# Altium PCB SNES TST.PcbDoc (part 3 of 3)
Units mm, origin at the board's own origin, x right, y up, seen from the top; angles counter-clockwise.
Board outline 62 x 43 mm, 4 copper layers (Top Layer, Ground Layer, Power Layer, Bottom Layer), stack 1.62 mm thick; 184 components, 269 nets, 927 pads, 510 vias.
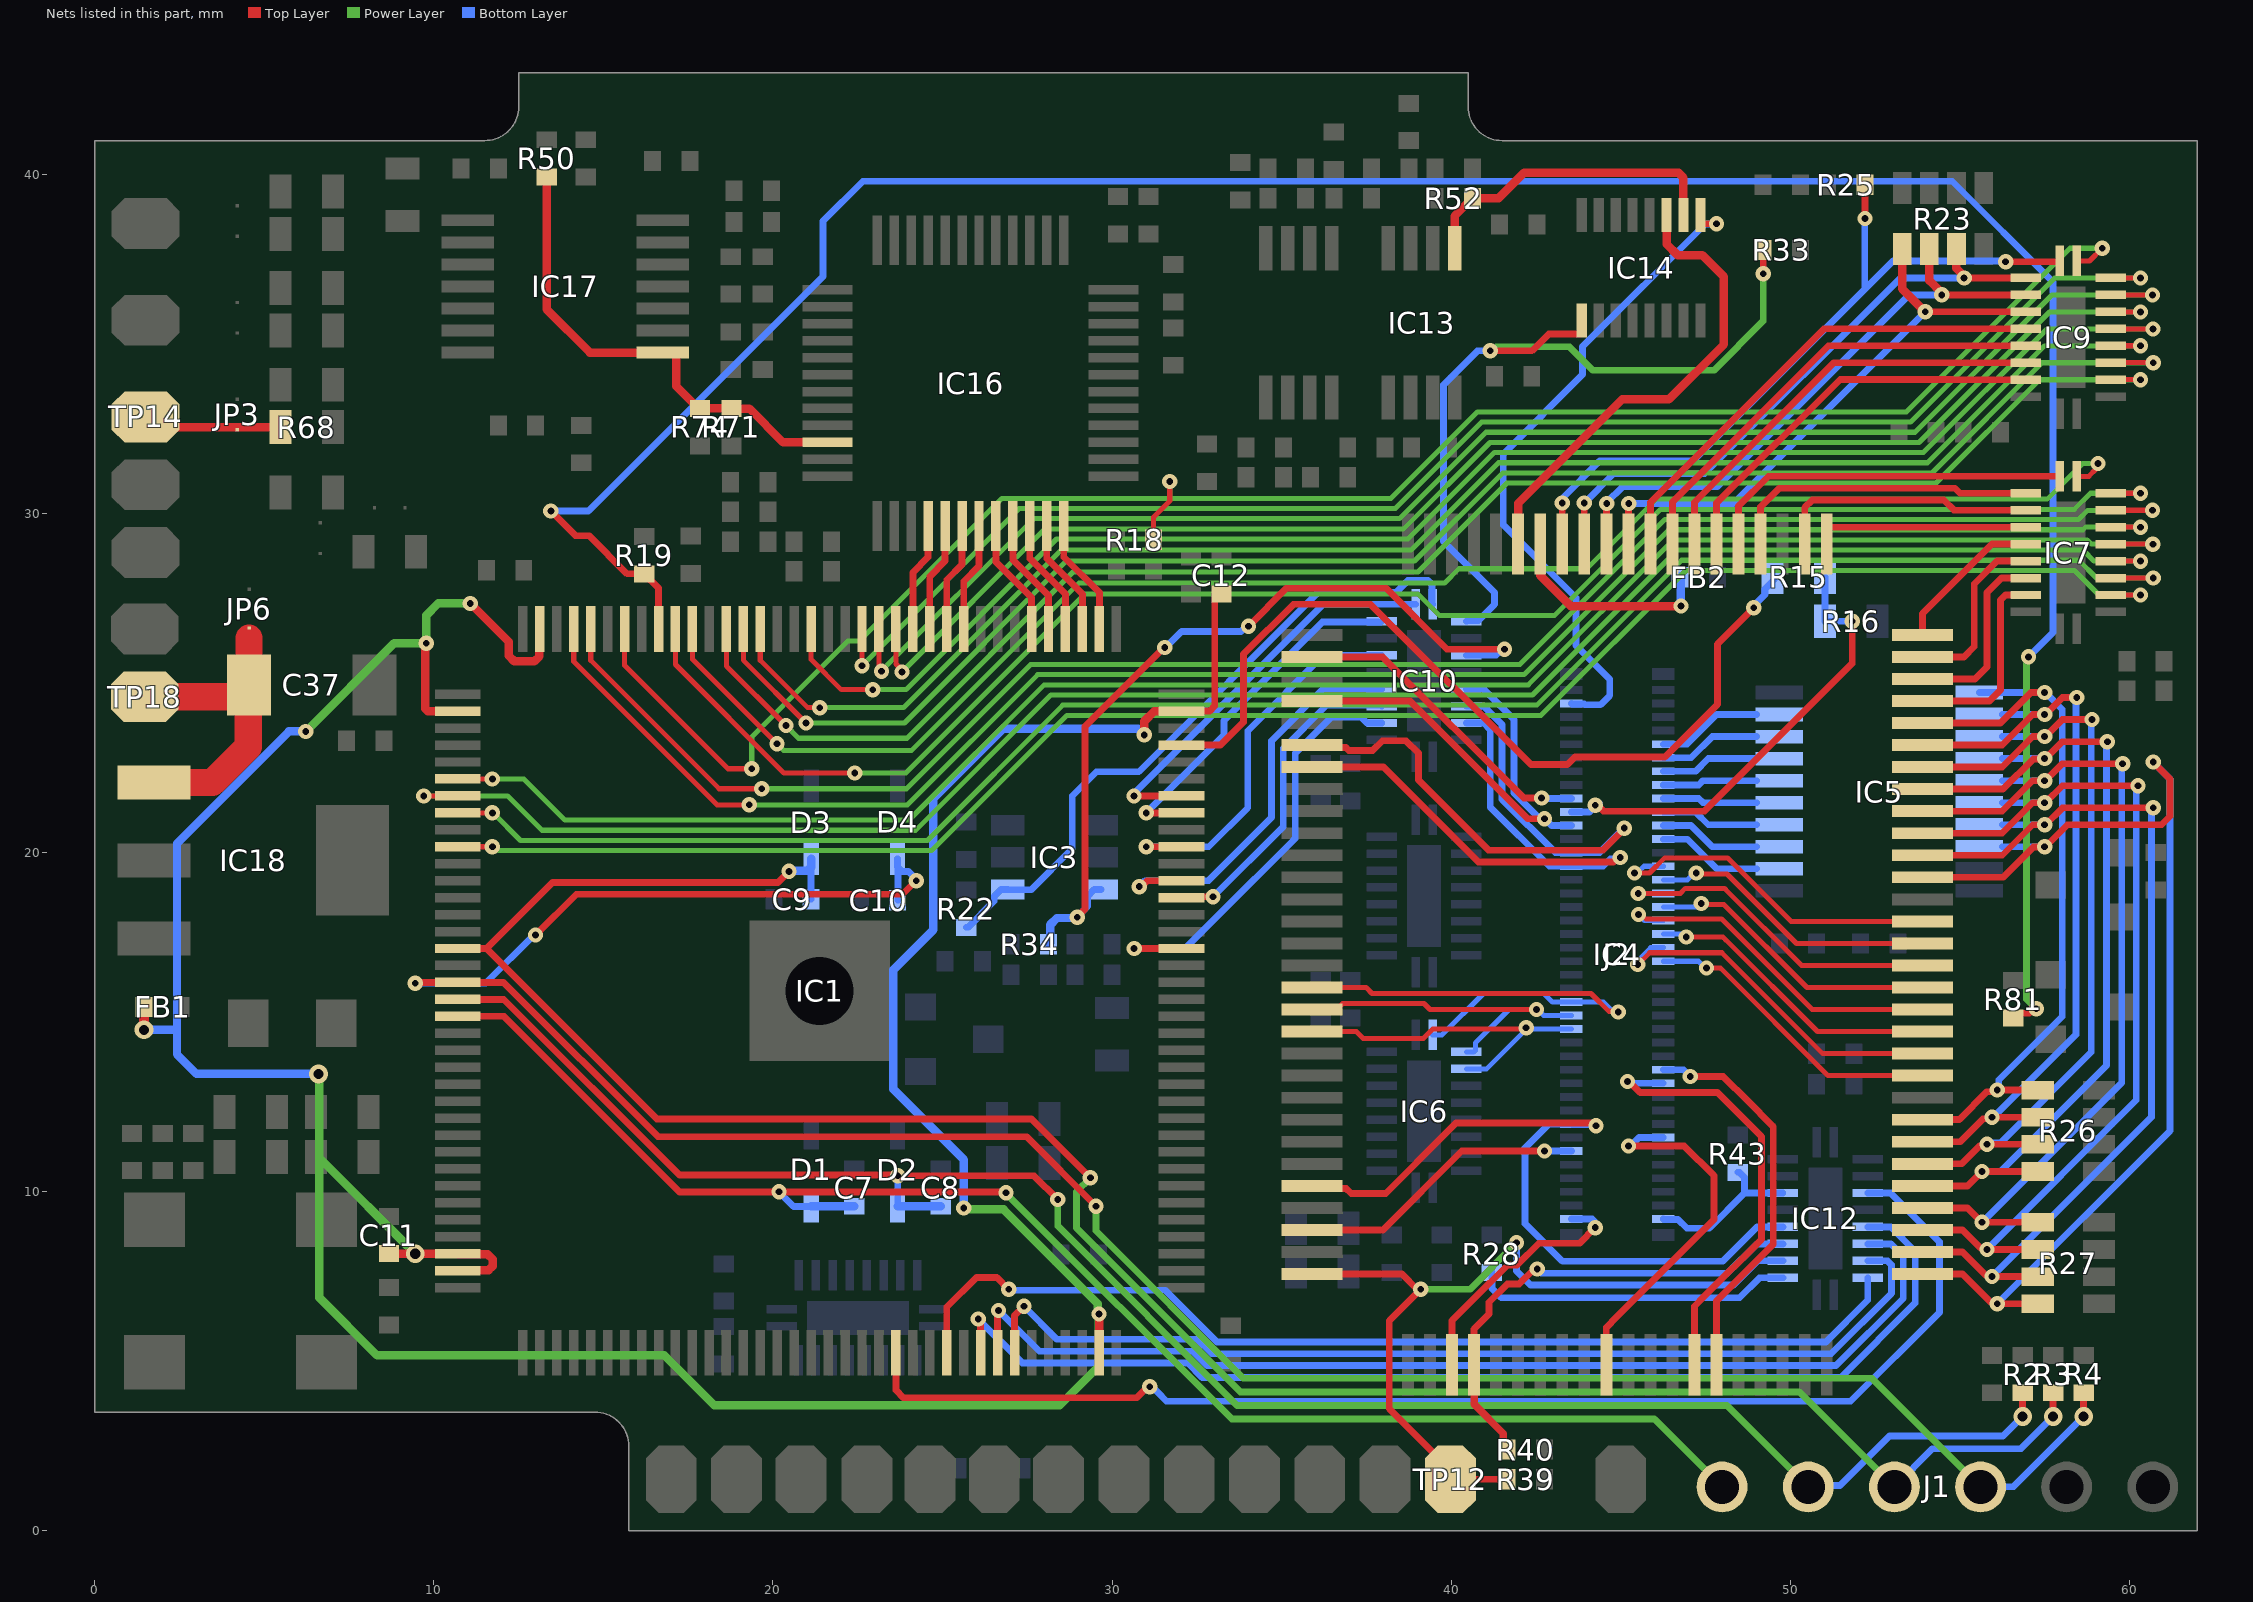
[diagram p5: the nets of this part, all layers, seen from the top]

## Via types
v1: diameter 0.45, hole 0.2, Top Layer to Bottom Layer, tented both sides, 377 vias
v2: diameter 0.55, hole 0.3, Top Layer to Bottom Layer, tented both sides, 133 vias

## Nets (pads, with @x,y where several pads share a name; then routed paths per layer and width w, separated by ;. In a path a pad name is that pad's centre, name@x,y a point inside that pad or via, vN(x,y) a via of type N, cw(c..) or ccw(c..) an arc to the next point about the centre after c; other vN are vias at no path point) (continued)
PA5V5: IC4.19 IC6.13 J2.52 | length 10.1
  Top Layer w0.15: IC4.19@35.9,14.725 37.2,14.725 37.4,14.525 39.18,14.525 39.455,14.8 42.17,14.8 v1(42.209,14.839)
  Bottom Layer w0.15: IC6.13@40.453,13.628 41.047,13.628 42.209,14.79 v1(42.209,14.839) ; v1@42.219,14.8 J2.52@43.545,14.8
PA5V6: IC4.18 IC6.12 J2.50 | length 10.6
  Top Layer w0.15: IC4.18@35.908,15.383 36.633,15.383 36.8,15.55 39.201,15.55 39.373,15.378 v1(42.514,15.378)
  Bottom Layer w0.15: IC6.12@40.45,14.125 40.662,14.125 40.712,14.175 40.712,14.387 41.703,15.378 42.549,15.378 42.727,15.2 J2.50@43.545,15.2
PA5V7: IC4.17 IC6.11 J2.48 | length 15.5
  Top Layer w0.15: IC4.17@35.9,16.025 37.491,16.025 37.666,15.85 44.125,15.85 44.65,15.326 44.9,15.326 v1(44.925,15.3)
  Bottom Layer w0.15: IC6.11@39.45,14.625 39.725,14.625 40.95,15.85 42.732,15.85 42.982,15.6 J2.48@43.545,15.6 44.483,15.6 44.726,15.357 44.868,15.357 v1(44.925,15.3)
PARD3V: IC1.93 IC10.3 | length 13.1
  Top Layer w0.2: v1(30.65,17.175) IC1.93@32.047,17.175
  Bottom Layer w0.2: v1(30.65,17.175) 32.155,17.175 33.198,18.218 35.268,20.288 35.4,20.42 35.4,22.93 36.471,24.001 37.338,24.001 37.514,23.825 IC10.3@37.95,23.825
PARD5V: IC4.7 IC10.18 J2.28 | length 18
  Top Layer w0.2: IC4.7@35.9,22.525 38,22.525 40.8,19.725 44.784,19.725 44.919,19.86 v1(44.987,19.86)
  Bottom Layer w0.2: IC10.18@40.45,23.825 40.962,23.825 41.15,23.637 41.15,21.35 42.9,19.6 J2.28@43.545,19.6 44.478,19.6 44.691,19.813 44.939,19.813 v1(44.987,19.86)
PAWR3V: IC1.96 IC10.4 | length 9.6
  Top Layer w0.2: IC1.96@32.047,18.675 32.072,18.701 v1(32.977,18.701)
  Bottom Layer w0.2: v1(32.977,18.701) 35.05,20.774 35.05,23.075 36.3,24.325 36.326,24.351 37.924,24.351 IC10.4@37.95,24.325
PAWR5V: IC4.6 IC10.17 J2.26 | length 19.5
  Top Layer w0.2: IC4.6@35.9,23.175 35.975,23.1 36.896,23.1 36.978,23.018 37.684,23.018 37.966,23.3 38.672,23.3 39.033,22.939 39.033,22.142 41.1,20.075 44.475,20.075 45.1,20.7 v1(45.1,20.725)
  Bottom Layer w0.2: IC10.17@40.45,24.325 40.957,24.325 41.5,23.782 41.5,21.575 43.075,20 J2.26@43.545,20 44.375,20 v1(45.1,20.725)
PED: IC4.2 J2.18 | length 9.4
  Top Layer w0.2: IC4.2@35.9,25.775 37.98,25.775 42.142,21.613 v1(42.667,21.613)
  Bottom Layer w0.2: v1@42.656,21.6 J2.18@43.545,21.6
PPU_AVCC: FB2.2 IC4.94 | length 6.3
  Top Layer w0.25: IC4.94@42.625,29.1 42.625,28.175 43.525,27.275 v1(46.775,27.275)
  Bottom Layer w0.25: FB2.2@46.75,28.15 46.762,28.138 46.762,27.287 v1(46.775,27.275)
PPURST: IC1.136 R19.2 R81.1 | length 78.5
  Top Layer w0.2: v1(13.45,30.075) 14.175,29.35 14.575,29.35 15.7,28.225 R19.2@16.2,28.225 16.621,27.804 16.621,26.601 IC1.136@16.625,26.597 ; R81.1@56.575,15.125 56.716,15.266 57.049,15.266 57.182,15.4 v1(57.25,15.4)
  Power Layer w0.2: v1(57.025,25.775) 57.025,25.707 56.969,25.651 56.969,15.681 v1(57.25,15.4)
  Bottom Layer w0.2: v1(13.45,30.075) 14.554,30.075 21.475,36.996 21.475,38.625 22.65,39.8 54.775,39.8 57.75,36.825 57.75,26.5 v1(57.025,25.775)
PRIO0: IC4.44 J2.59 | length 13.2
  Top Layer w0.2: v1(45.202,13.251) 45.246,13.251 45.572,12.925 47.85,12.925 49.15,11.625 49.15,8.6 47.475,6.925 47.175,6.625 IC4.44@47.175,4.9
  Bottom Layer w0.2: v1(45.202,13.251) 45.253,13.2 J2.59@46.255,13.2
PRIO1: IC4.45 J2.57 | length 11.6
  Top Layer w0.2: v1(47.052,13.401) 48.021,13.401 48.762,12.659 49.45,11.972 49.5,11.921 49.5,8.455 47.825,6.78 IC4.45@47.825,4.9
  Bottom Layer w0.2: J2.57@46.255,13.6 46.847,13.6 47.017,13.429 v1@47.056,13.429
RAMP: IC13.1 IC14.10 R52.2 | length 9.5
  Top Layer w0.25: IC13.1@40.1,37.825 40.1,38.775 40.45,39.125 40.5,39.125 40.625,39.25 R52.2@40.625,39.3 ; R52.2@40.625,39.35 R52.2@40.625,39.3 ; IC14.10@46.85,38.8 46.85,39.904 46.704,40.05 42.15,40.05 41.4,39.3 R52.2@40.625,39.3
RDAC: IC16.34 IC17.1 R50.2 R71.2 R74.2 | length 14.4
  Top Layer w0.25: R50.2@13.325,39.925 13.325,36.025 14.6,34.75 IC17.1@16.75,34.75 17.1,34.75 17.15,34.7 17.15,33.75 17.8,33.1 R74.2@17.85,33.1 R71.2@18.775,33.1 18.779,33.096 19.304,33.096 20.3,32.1 IC16.34@21.609,32.1
RDIG1: IC1.121 IC16.40 | length 3.2
  Top Layer w0.2: IC1.121@24.125,26.597 24.125,28.265 24.575,28.715 IC16.40@24.575,29.634
RDIG2: IC1.120 IC16.41 | length 3.2
  Top Layer w0.2: IC1.120@24.625,26.597 24.625,28.15 25.075,28.6 IC16.41@25.075,29.634
RDIG3: IC1.119 IC16.42 | length 3.2
  Top Layer w0.2: IC1.119@25.125,26.597 25.125,28.05 25.575,28.5 IC16.42@25.575,29.634
RDIG4: IC1.118 IC16.43 | length 3.2
  Top Layer w0.2: IC1.118@25.625,26.597 25.625,28 26.075,28.45 IC16.43@26.075,29.634
RDIG5: IC1.114 IC16.44 | length 3.5
  Top Layer w0.2: IC16.44@26.575,29.634 26.575,28.575 27.625,27.525 IC1.114@27.625,26.597
RDIG6: IC1.113 IC16.45 | length 3.5
  Top Layer w0.2: IC16.45@27.075,29.634 27.075,28.63 28.125,27.58 IC1.113@28.125,26.597
RDIG7: IC1.112 IC16.46 | length 3.5
  Top Layer w0.2: IC16.46@27.575,29.634 27.575,28.675 28.625,27.625 IC1.112@28.625,26.597
RDIG8: IC1.111 IC16.47 | length 3.5
  Top Layer w0.2: IC16.47@28.075,29.634 28.075,28.675 29.125,27.625 IC1.111@29.125,26.597
RDIG9: IC1.110 IC16.48 | length 3.5
  Top Layer w0.2: IC16.48@28.575,29.634 28.575,28.72 29.625,27.67 IC1.110@29.625,26.597
RED: JP3.1 R68.2 TP14.1 | length 4
  Top Layer w0.25: TP14.1@1.5,32.55 R68.2@5.475,32.55
REGION3V: IC1.66 IC12.8 | length 30
  Top Layer w0.2: IC1.66@27.125,5.253 27.125,6.35 v1(27.4,6.625)
  Bottom Layer w0.2: v1(27.4,6.625) 28.375,5.65 32.522,5.65 32.947,5.225 51.2,5.225 52.982,7.007 52.982,7.848 52.865,7.965 IC12.8@52.282,7.965
REGION5V: IC4.30 IC12.13 R39.2 TP12.1 | length 24.2
  Top Layer w0.2: IC4.30@35.9,7.575 38.549,7.575 38.999,7.125 v1(39.102,7.125) ; v1@39,7.025 38.175,6.2 38.175,3.6 39.975,1.8 TP12.1@39.975,1.525 R39.2@41.65,1.525
  Power Layer w0.2: v1(39.102,7.125) 40.552,7.125 v1(41.927,8.5)
  Bottom Layer w0.2: v1(41.927,8.5) 41.927,7.662 42.34,7.249 48.324,7.249 49.04,7.965 IC12.13@49.782,7.965
REGPAT3V: IC1.99 IC10.7 | length 11.7
  Top Layer w0.2: v1(31.005,20.175) IC1.99@32.047,20.175
  Bottom Layer w0.2: v1(31.005,20.175) 32.85,20.175 34,21.325 34,23.59 36.235,25.825 IC10.7@37.95,25.825
REGPAT5V: IC3.6 IC10.14 R34.2 | length 24.4
  Top Layer w0.2: v1(28.975,18.1) 28.975,18.117 29.2,18.342 29.2,23.725 31.525,26.05 v1(31.55,26.05) ; v1(34.023,26.677) 35.147,27.8 38.075,27.8 39.875,26 v1(41.571,26)
  Bottom Layer w0.2: v1(28.975,18.1) 28.975,18.122 29.273,18.42 29.273,18.597 29.273,18.714 29.473,18.914 IC3.6@29.673,18.914 ; v1(31.55,26.05) 31.576,26.05 32.051,26.525 32.288,26.525 33.804,26.525 33.956,26.677 v1(34.023,26.677) ; IC10.14@40.45,25.825 41.328,25.825 41.503,26 v1(41.571,26)
  Bottom Layer w0.25: R34.2@28.125,17.3 28.175,17.35 28.175,17.875 28.375,18.075 28.95,18.075 v1(28.975,18.1)
REGPSEL3V: IC1.102 IC10.10 | length 12.1
  Top Layer w0.2: v1(30.643,21.675) IC1.102@32.047,21.675
  Bottom Layer w0.2: v1(30.643,21.675) 30.643,21.729 30.693,21.779 30.693,21.793 36.225,27.325 IC10.10@38.95,27.325
REGPSEL5V: IC3.1 IC10.11 R22.2 | length 19.6
  Bottom Layer w0.2: R22.2@25.7,17.8 25.75,17.8 26.523,18.573 26.523,18.714 26.723,18.914 IC3.1@26.923,18.914 26.931,18.906 27.606,18.906 28.825,20.125 28.825,21.675 29.538,22.388 30.788,22.388 36.075,27.675 38.371,27.675 38.721,28.025 39.316,28.025 39.434,27.908 39.434,27.341 IC10.11@39.45,27.325
RESETI3V: IC1.59 IC12.4 | length 38.2
  Top Layer w0.2: IC1.59@23.625,5.253 23.625,4.15 23.85,3.925 30.717,3.925 31.042,4.25 v1(31.109,4.25)
  Bottom Layer w0.2: v1(31.109,4.25) 31.177,4.25 31.336,4.091 31.338,4.091 31.604,3.825 51.78,3.825 54.4,6.445 54.4,8.525 52.96,9.965 IC12.4@52.282,9.965
RESETI5V: IC12.17 J2.79 R43.1 | length 4.8
  Bottom Layer w0.2: J2.79@46.255,9.2 46.27,9.185 46.69,9.185 46.95,8.925 47.612,8.925 48.65,9.963 ; R43.1@48.45,10.575 48.5,10.575 48.65,10.425 48.65,9.963 ; IC12.17@49.78,9.963 48.65,9.963
RESETO3V: IC1.65 IC12.7 | length 31.9
  Top Layer w0.2: IC1.65@26.625,5.253 26.625,6.474 v1(26.651,6.5)
  Bottom Layer w0.2: v1(26.651,6.5) 27.852,5.3 32.377,5.3 32.802,4.875 51.345,4.875 53.332,6.862 53.332,8.103 52.97,8.465 IC12.7@52.282,8.465
RESETO5V: IC4.34 IC12.14 R40.2 | length 14.4
  Top Layer w0.2: IC4.34@40.675,4.9 40.675,5.95 41.119,6.394 41.119,6.744 41.656,7.281 42.006,7.281 42.449,7.724 v1(42.536,7.724)
  Top Layer w0.22: IC4.34@40.675,4.9 40.675,3.734 41.541,2.868 41.541,2.509 R40.2@41.65,2.4
  Bottom Layer w0.2: v1(42.536,7.724) 42.66,7.6 48.15,7.6 49.015,8.465 IC12.14@49.782,8.465
RESOUT0: IC4.33 J2.80 | length 7.4
  Top Layer w0.2: IC4.33@40.025,4.9 40.025,6.2 40.664,6.839 41.668,7.843 41.943,7.843 42.582,8.482 43.782,8.482 44.244,8.944 v1(44.247,8.944)
  Bottom Layer w0.2: J2.80@43.545,9.2 44.159,9.2 v1@44.217,9.142
RESOUT1: IC4.28 J2.70 | length 8.6
  Top Layer w0.2: IC4.28@35.9,8.875 37.985,8.875 40.31,11.201 v1(42.752,11.201)
  Bottom Layer w0.2: v1@42.75,11.15 v1@42.788,11.188 ; v1@42.782,11.2 J2.70@43.545,11.2
RGBSEL3V: IC1.101 IC10.9 | length 10.6
  Top Layer w0.2: v1(31.005,21.175) IC1.101@32.047,21.175
  Bottom Layer w0.2: v1(31.005,21.175) 33.3,23.47 33.3,23.9 36.2,26.8 37.925,26.8 IC10.9@37.95,26.825
RGBSEL5V: IC10.12 IC14.1 R33.2 | length 24.3
  Top Layer w0.2: v1(41.15,34.8) 42.378,34.8 42.878,35.3 43.683,35.3 43.8,35.3 43.85,35.35 IC14.1@43.85,35.7 ; v1(49.2,37.075) R33.2@49.2,37.775
  Power Layer w0.2: v1(41.15,34.8) 41.218,34.8 41.335,34.918 43.49,34.918 44.183,34.225 47.75,34.225 49.2,35.675 v1(49.2,37.075)
  Bottom Layer w0.2: IC10.12@40.45,26.825 40.475,26.85 40.8,26.85 41.275,27.325 41.275,27.674 39.775,29.174 39.775,33.797 40.778,34.8 v1(41.15,34.8)
RPPU: IC4.95 IC14.11 | length 14.1
  Top Layer w0.25: IC4.95@41.975,29.1 41.975,30.3 45.041,33.366 46.416,33.366 48.041,34.991 48.041,36.984 47.407,37.618 46.682,37.618 46.35,37.95 IC14.11@46.35,38.8
RSYS: IC14.9 J2.4 | length 20
  Top Layer w0.2: IC14.9@47.35,38.8 47.35,38.6 47.4,38.55 v1(47.825,38.55)
  Bottom Layer w0.2: J2.4@43.545,24.4 43.56,24.385 43.921,24.385 43.945,24.361 44.398,24.361 44.679,24.642 44.679,25.114 43.681,26.111 43.681,27.519 41.536,29.664 41.536,31.76 43.875,34.099 43.875,34.925 47.491,38.541 47.816,38.541 v1(47.825,38.55)
SUBCAR: J2.20 R15.1 R16.1 | length 13.7
  Top Layer w0.2: v1(44.25,21.4) 44.317,21.4 44.492,21.225 47.475,21.225 51.825,25.575 v1(51.825,26.825)
  Bottom Layer w0.2: J2.20@43.545,21.2 44.079,21.2 v1@44.354,21.475 ; R15.1@51.025,28.125 R16.1@51.025,26.825 v1(51.825,26.825)
SUBCAR3V: IC1.105 R15.2 | length 25.8
  Top Layer w0.2: IC1.105@32.047,23.175 33.2,23.175 33.875,23.85 33.875,25.856 35.344,27.325 37.625,27.325 42.35,22.6 43.425,22.6 43.65,22.825 46.3,22.825 47.85,24.375 47.85,26.15 v1(48.925,27.225)
  Bottom Layer w0.2: v1(48.925,27.225) 48.973,27.273 48.973,27.341 49.25,27.618 49.25,27.775 R15.2@49.525,28.05
SYSREG3V: IC1.62 IC12.9 | length 30.8
  Top Layer w0.2: IC1.62@25.125,5.253 25.125,6.6 26,7.475 26.601,7.475 v1(26.951,7.125)
  Bottom Layer w0.2: v1(26.951,7.125) 26.977,7.1 31.567,7.1 33.092,5.575 51.055,5.575 52.282,6.802 IC12.9@52.282,7.465
SYSREG5V: IC12.12 R28.1 | length 9.4
  Bottom Layer w0.2: R28.1@41.2,7.625 41.2,7.15 41.473,6.877 48.502,6.877 49.09,7.465 IC12.12@49.782,7.465
TCK: C10.1 D4.2 IC1.18 J1.3 R4.1 | length 75.3
  Top Layer w0.2: v1(9.45,16.15) 9.475,16.175 12.055,16.175 16.605,11.625 27.475,11.625 v1(29.525,9.575) ; v1(13,17.575) 14.2,18.775 23.825,18.775 v1(24.225,19.175) ; v2(58.65,3.375) R4.1@58.65,4.075
  Power Layer w0.2: v1(29.525,9.575) 29.525,8.852 33.877,4.5 52.41,4.5 J1.3@55.61,1.3
  Bottom Layer w0.2: v1(9.45,16.15) 11.525,16.15 12.95,17.575 v1(13,17.575) ; D4.2@23.675,19.825 23.675,19.575 D4.2@23.688,19.562 ; C10.1@23.688,18.6 D4.2@23.688,19.562 ; v1(24.225,19.175) 24.225,19.225 24,19.45 23.8,19.45 D4.2@23.688,19.562 ; J1.3@55.605,1.305 56.58,1.305 v2(58.65,3.375)
TDI: C8.1 D2.2 IC1.19 J1.5 R2.2 | length 56.4
  Top Layer w0.2: IC1.19@10.703,15.675 12.06,15.675 17.242,10.494 23.66,10.494 v1(23.682,10.472) ; v1@23.725,10.472 27.703,10.472 v1(28.4,9.775) ; v2(56.85,3.375) R2.2@56.85,4.075
  Power Layer w0.2: v1(28.4,9.775) 28.4,8.987 33.687,3.7 48.13,3.7 J1.5@50.53,1.3
  Bottom Layer w0.2: D2.2@23.675,9.575 23.678,9.578 23.678,10.468 v1(23.682,10.472) ; J1.5@50.53,1.3 50.568,1.338 51.463,1.338 52.925,2.8 56.275,2.8 v2(56.85,3.375) v2@56.926,3.451
  Bottom Layer w0.25: D2.2@23.675,9.575 C8.1@24.95,9.575
TDO: C7.1 D1.2 IC1.20 J1.6 | length 45.8
  Top Layer w0.2: IC1.20@10.703,15.175 12.065,15.175 17.246,9.994 20.169,9.994 v1(20.175,10) ; v1@20.178,9.997 26.853,9.997 v1(26.875,9.975)
  Power Layer w0.2: v1(26.875,9.975) 26.875,9.956 33.531,3.3 45.99,3.3 J1.6@48.186,1.104
  Bottom Layer w0.2: v1(20.175,10) 20.611,9.564 D1.2@21.164,9.564
  Bottom Layer w0.25: D1.2@21.125,9.575 C7.1@22.4,9.575
TMS: C9.1 D3.2 IC1.16 J1.4 R3.2 | length 68.4
  Top Layer w0.2: IC1.16@10.703,17.175 11.55,17.175 ; v1(20.475,19.45) 20.15,19.125 13.5,19.125 11.55,17.175 ; v1(29.359,10.412) 27.622,12.15 16.575,12.15 11.55,17.175 ; v2(57.75,3.375) R3.2@57.75,4.075
  Power Layer w0.2: v1(29.359,10.412) 28.95,10.003 28.95,8.932 33.782,4.1 50.27,4.1 J1.4@53.07,1.3
  Bottom Layer w0.2: C9.1@21.125,18.625 D3.2@21.125,19.575 ; J1.4@53.07,1.3 54.195,2.425 56.8,2.425 v2(57.75,3.375)
  Bottom Layer w0.25: v1(20.475,19.45) 20.5,19.475 21.025,19.475 21.125,19.575 D3.2@21.125,19.825
TOUMEI3V: IC1.97 IC10.5 | length 12.2
  Top Layer w0.2: v1(30.8,19) 30.867,19 31.042,19.175 IC1.97@32.047,19.175
  Bottom Layer w0.2: v1(30.8,19) 30.976,19.176 32.841,19.176 34.7,21.035 34.7,23.3 36.225,24.825 IC10.5@37.95,24.825
TOUMEI5V: IC4.4 IC10.16 J2.22 | length 14.3
  Top Layer w0.2: IC4.4@35.9,24.475 38.785,24.475 42.26,21 v1(42.75,21)
  Bottom Layer w0.2: IC10.16@40.45,24.825 40.465,24.84 40.94,24.84 41.263,24.518 41.263,24.514 41.85,23.927 41.85,22.63 41.85,21.758 42.56,21.048 42.702,21.048 v1(42.75,21) 42.76,21 42.96,20.8 J2.22@43.545,20.8
TST3V0: IC1.10 IC7.3 | length 54.3
  Top Layer w0.15: IC1.10@10.703,20.175 v1(11.725,20.175) v1@11.745,20.175 ; IC7.3@59.45,27.6 60.322,27.6 60.324,27.601 v1(60.326,27.599)
  Power Layer w0.15: v1(11.725,20.175) 11.806,20.175 11.919,20.062 24.68,20.062 28.668,24.05 42.646,24.05 46.921,28.325 58.38,28.325 59.107,27.599 v1(60.326,27.599)
TST3V1: IC1.8 IC7.4 | length 55.2
  Top Layer w0.15: IC1.8@10.703,21.175 v1(11.725,21.175) v1@11.745,21.175 ; IC7.4@59.45,28.1 v1(60.701,28.099) v1(60.701,28.099)
  Power Layer w0.15: v1@11.745,21.175 12.557,20.362 24.556,20.362 28.544,24.35 42.522,24.35 46.797,28.625 58.504,28.625 59.031,28.099 v1(60.701,28.099)
TST3V2: IC1.7 IC7.5 | length 56.5
  Top Layer w0.15: v1@9.662,21.675 v1(9.7,21.675) IC1.7@10.703,21.675 ; IC7.5@59.45,28.6 60.323,28.6 60.324,28.601 v1(60.326,28.599)
  Power Layer w0.15: v1(9.7,21.675) 12.175,21.675 13.188,20.662 24.207,20.662 28.195,24.65 42.398,24.65 46.673,28.925 58.629,28.925 58.955,28.599 v1(60.326,28.599)
TST3V3: IC1.6 IC7.6 | length 55.2
  Top Layer w0.15: IC1.6@10.703,22.175 v1(11.725,22.175) v1@11.745,22.175 ; IC7.6@59.45,29.1 60.69,29.099 v1(60.692,29.098)
  Power Layer w0.15: v1@11.745,22.175 12.65,22.175 13.863,20.962 24.012,20.962 28,24.95 42.274,24.95 46.549,29.225 58.753,29.225 58.88,29.098 v1(60.692,29.098)
TST3V4: IC1.141 IC7.7 | length 53.2
  Top Layer w0.15: IC1.141@14.125,26.597 14.125,25.639 18.351,21.412 v1(19.3,21.412) ; IC7.7@59.45,29.6 60.323,29.6 60.324,29.601 v1(60.326,29.599)
  Power Layer w0.15: v1(19.3,21.412) 23.967,21.412 27.805,25.25 42.149,25.25 46.424,29.525 58.625,29.525 58.699,29.599 v1(60.326,29.599)
TST3V5: IC1.140 IC7.8 | length 53.2
  Top Layer w0.15: IC1.140@14.625,26.597 14.625,25.674 18.412,21.887 v1(19.667,21.887) ; IC7.8@59.45,30.099 60.681,30.099 v1(60.683,30.097)
  Power Layer w0.15: v1(19.667,21.887) 23.937,21.887 27.6,25.55 42.025,25.55 46.3,29.825 58.501,29.825 58.772,30.097 v1(60.683,30.097)
TST3V6: IC1.135 IC7.9 | length 50.4
  Top Layer w0.15: IC1.135@17.125,26.597 17.125,25.55 20.321,22.354 22.405,22.354 v1(22.409,22.35) ; IC7.9@59.45,30.6 60.323,30.6 60.324,30.601 v1(60.326,30.599)
  Power Layer w0.15: v1(22.409,22.35) 22.413,22.354 23.919,22.354 29.19,27.625 39.025,27.625 39.66,26.99 43.04,26.99 46.175,30.125 58.375,30.125 58.849,30.599 v1(60.326,30.599)
TST3V7: IC1.134 IC7.10 | length 47.8
  Top Layer w0.15: IC1.134@17.625,26.597 17.625,25.704 v1(20.119,23.21) ; IC7.10@58.45,31.1 58.8,31.1 59.018,31.318 59.018,31.418 v1(59.075,31.475)
  Power Layer w0.15: v1(20.119,23.21) 20.31,23.019 24.089,23.019 29.02,27.95 39.14,27.95 39.8,27.95 40.225,28.375 44,28.375 46.05,30.425 57.575,30.425 58.625,31.475 v1(59.075,31.475)
TST3V8: IC1.132 IC9.3 | length 48.9
  Top Layer w0.15: IC1.132@18.625,26.597 18.625,25.506 v1(20.381,23.75) ; IC9.3@59.45,33.95 60.324,33.95 v1(60.327,33.948)
  Power Layer w0.15: v1(20.381,23.75) 20.756,23.375 23.95,23.375 28.85,28.275 39.02,28.275 41.645,30.9 54.3,30.9 57.348,33.948 v1(60.327,33.948)
TST3V9: IC1.131 IC9.4 | length 48.9
  Top Layer w0.15: IC1.131@19.125,26.597 19.125,25.677 v1(20.976,23.826) ; IC9.4@59.45,34.45 v1@60.7,34.45
  Power Layer w0.15: v1(20.976,23.826) 23.876,23.826 28.65,28.6 38.921,28.6 41.521,31.2 54.176,31.2 57.423,34.448 v1(60.702,34.448)
TST3V10: IC1.130 IC9.5 | length 47.5
  Top Layer w0.15: IC1.130@19.625,26.597 19.625,25.674 21.023,24.276 v1(21.376,24.276) ; IC9.5@59.45,34.95 60.325,34.95 v1(60.327,34.948)
  Power Layer w0.15: v1(21.376,24.276) 23.851,24.276 28.5,28.925 38.821,28.925 41.396,31.5 54.046,31.5 57.494,34.948 v1(60.327,34.948)
TST3V11: IC1.127 IC9.6 | length 46.5
  Top Layer w0.15: IC1.127@21.125,26.597 21.125,25.7 22.016,24.809 v1(22.945,24.809) ; IC9.6@59.45,35.45 59.473,35.473 59.499,35.447 v1(60.693,35.447)
  Power Layer w0.15: v1(22.945,24.809) 23.92,24.809 28.361,29.25 38.722,29.25 41.272,31.8 53.922,31.8 57.569,35.447 v1(60.693,35.447)
TST3V12: IC1.122 IC9.7 | length 43.1
  Top Layer w0.15: IC1.122@23.625,26.597 23.625,25.564 23.801,25.388 v1(23.801,25.326) ; IC9.7@59.45,35.95 60.325,35.95 v1(60.327,35.948)
  Power Layer w0.15: v1(23.801,25.326) 28.025,29.55 38.598,29.55 41.148,32.1 53.798,32.1 57.646,35.948 v1(60.327,35.948)
TST3V13: IC1.123 IC9.8 | length 44.6
  Top Layer w0.15: IC1.123@23.125,26.597 23.125,25.427 v1(23.201,25.351) ; IC9.8@59.45,36.45 v1@60.68,36.45
  Power Layer w0.15: v1(23.201,25.351) 23.201,25.363 27.689,29.85 38.474,29.85 41.024,32.4 53.674,32.4 57.719,36.446 v1(60.684,36.446)
TST3V14: IC1.124 IC9.9 | length 44.4
  Top Layer w0.15: v1(22.624,25.514) IC1.124@22.625,26.597 ; IC9.9@59.45,36.95 60.325,36.95 v1(60.327,36.948)
  Power Layer w0.15: v1(22.624,25.514) 27.26,30.15 38.349,30.15 40.899,32.7 53.549,32.7 57.797,36.948 v1(60.327,36.948)
TST3V15: IC1.138 IC9.10 R18.2 | length 56.2
  Top Layer w0.15: IC1.138@15.625,26.597 15.625,25.525 18.675,22.475 v1(19.375,22.475) ; R18.2@31.225,29.225 31.225,29.9 31.7,30.375 v1(31.7,30.95) ; IC9.10@58.45,37.45 58.825,37.45 v1(59.2,37.825)
  Power Layer w0.15: v1(19.375,22.475) 19.375,23.415 22.198,26.238 22.538,26.238 26.75,30.45 31.65,30.45 ; v1(31.7,30.95) 31.7,30.5 31.65,30.45 ; v1(59.2,37.825) 58.25,37.825 53.425,33 40.775,33 38.225,30.45 31.65,30.45
TST5V0: IC4.77 IC7.18 | length 5.9
  Top Layer w0.2: IC4.77@53.9,24.475 55.875,24.475 56.2,24.8 56.2,27.454 56.346,27.6 IC7.18@56.95,27.6
TST5V1: IC4.78 IC7.17 | length 5.6
  Top Layer w0.2: IC4.78@53.9,25.125 55.45,25.125 55.8,25.475 55.8,27.675 56.225,28.1 IC7.17@56.95,28.1
TST5V2: IC4.79 IC7.16 | length 5.3
  Top Layer w0.2: IC4.79@53.9,25.775 55.125,25.775 55.425,26.075 55.425,27.925 56.1,28.6 IC7.16@56.95,28.6
TST5V3: IC4.80 IC7.15 | length 4.5
  Top Layer w0.2: IC4.80@53.9,26.425 53.9,27.05 55.95,29.1 IC7.15@56.95,29.1
TST5V4: IC4.81 IC7.14 | length 6.3
  Top Layer w0.2: IC4.81@51.075,29.1 51.075,29.525 51.15,29.6 IC7.14@56.95,29.6
TST5V5: IC4.82 IC7.13 | length 7.8
  Top Layer w0.2: IC4.82@50.425,29.1 50.425,30.175 50.65,30.4 54.525,30.4 54.825,30.1 IC7.13@56.95,30.1
TST5V6: IC4.84 IC7.12 | length 9.2
  Top Layer w0.2: IC4.84@49.125,29.1 49.125,30.2 49.675,30.75 54.85,30.75 55,30.6 IC7.12@56.95,30.6
TST5V7: IC4.85 IC7.11 | length 11
  Top Layer w0.2: IC4.85@48.475,29.1 48.475,30.225 49.35,31.1 IC7.11@57.95,31.1
TST5V8: IC4.86 IC9.18 | length 11.8
  Top Layer w0.2: IC4.86@47.825,29.1 47.825,30.311 51.472,33.958 54.783,33.958 54.791,33.95 IC9.18@56.95,33.95
TST5V9: IC4.87 IC9.17 | length 12.7
  Top Layer w0.2: IC4.87@47.175,29.1 47.175,30.334 51.291,34.45 IC9.17@56.95,34.45
TST5V10: IC4.88 IC9.16 | length 13.6
  Top Layer w0.2: IC4.88@46.525,29.1 46.525,30.345 51.13,34.95 IC9.16@56.95,34.95
TST5V11: IC4.89 IC9.15 | length 14.4
  Top Layer w0.2: IC4.89@45.875,29.1 45.875,30.333 50.992,35.45 IC9.15@56.95,35.45
TST5V12: IC4.90 IC9.14 R23.5 | length 17.4
  Top Layer w0.2: IC4.90@45.225,29.1 45.23,29.105 45.23,30.295 v1(45.236,30.3) ; v1(53.977,35.95) IC9.14@56.95,35.95
  Top Layer w0.25: R23.5@53.3,37.8 53.3,36.627 v1(53.977,35.95)
  Bottom Layer w0.2: v1(45.236,30.3) 48.327,30.3 v1(53.977,35.95)
TST5V13: IC4.91 IC9.13 R23.6 | length 17.6
  Top Layer w0.2: IC4.91@44.575,29.1 44.58,29.105 44.58,30.295 v1(44.586,30.3) ; v1(54.466,36.45) IC9.13@56.95,36.45
  Top Layer w0.25: R23.6@54.1,37.8 54.1,36.87 54.466,36.504 v1(54.466,36.45)
  Bottom Layer w0.2: v1(44.586,30.3) 44.586,30.322 45.064,30.8 47.85,30.8 53.5,36.45 v1(54.466,36.45)
TST5V14: IC4.92 IC9.12 R23.7 | length 18
  Top Layer w0.2: v1(43.925,30.311) IC4.92@43.925,29.1 IC4.92@43.957,29.132 ; v1(55.126,36.95) IC9.12@56.95,36.95
  Top Layer w0.25: R23.7@54.9,37.8 54.9,37.23 55.126,37.004 v1(55.126,36.95)
  Bottom Layer w0.2: v1(43.925,30.311) 44.789,31.175 47.475,31.175 53.25,36.95 v1(55.126,36.95)
TST5V15: IC4.93 IC9.11 R25.2 | length 22
  Top Layer w0.2: IC4.93@43.275,29.1 v1(43.275,30.311) ; v1(52.2,38.7) R25.2@52.2,39.7 ; v1(56.35,37.425) 57.925,37.425 IC9.11@57.95,37.45
  Bottom Layer w0.2: v1(43.275,30.311) 43.275,30.447 44.378,31.55 47.13,31.55 52.194,36.614 ; v1(52.2,38.7) 52.194,38.694 52.194,36.614 ; v1(56.35,37.425) 56.325,37.45 53.03,37.45 52.194,36.614
VBLANK3V: IC1.64 IC12.6 | length 33.5
  Top Layer w0.2: v1(26.051,6.25) 26.121,6.181 26.121,5.258 IC1.64@26.125,5.253
  Bottom Layer w0.2: v1(26.051,6.25) 27.352,4.95 32.232,4.95 32.657,4.525 51.49,4.525 53.682,6.717 53.682,8.248 52.965,8.965 IC12.6@52.282,8.965
VBLANK5V: IC4.26 IC12.15 J2.66 | length 22.5
  Top Layer w0.2: IC4.26@35.9,10.175 35.975,10.1 36.903,10.1 37.053,9.95 38.07,9.95 39.865,11.745 40.145,12.026 44.188,12.026 v1(44.267,11.947)
  Bottom Layer w0.2: v1(44.267,11.947) 44.228,11.985 43.56,11.985 J2.66@43.545,12 42.88,12 42.177,11.297 42.177,9.061 43.288,7.95 48,7.95 49.015,8.965 IC12.15@49.782,8.965
VCCA: C11.1 C12.1 FB1.2 IC1.2 IC1.34 IC1.35 IC1.71 IC1.107 IC1.143 | length 105.6
  Top Layer w0.2: IC1.107@32.051,24.179 32.883,24.179 33.025,24.321 C12.1@33.025,27.625
  Top Layer w0.25: C11.1@8.675,8.175 IC1.34@10.703,8.175 10.718,8.16 11.585,8.16 11.732,8.014 11.732,7.807 11.615,7.69 10.718,7.69 IC1.35@10.703,7.675 ; v1(9.775,26.175) 9.752,26.152 9.752,24.245 9.821,24.175 IC1.2@10.703,24.175 ; v1(11.075,27.35) 12.21,26.215 12.21,25.806 12.371,25.645 12.964,25.645 13.11,25.791 13.11,26.582 IC1.143@13.125,26.597 ; IC1.71@29.625,5.253 v1@29.625,6.388 ; v1(30.95,23.475) 30.95,23.875 31.25,24.175 IC1.107@32.047,24.175
  Top Layer w0.3: v2(1.45,14.775) FB1.2@1.45,15.45
  Power Layer w0.25: v1(6.225,23.575) 8.825,26.175 v1(9.775,26.175) 9.775,27 10.125,27.35 v1(11.075,27.35) ; v2@6.625,13.525 6.625,11 ; v2(9.45,8.175) 6.625,11 ; v1(25.625,9.522) 25.663,9.483 25.805,9.483 25.809,9.479 26.799,9.479 29.574,6.705 29.574,6.438 v1(29.612,6.4) 29.612,4.862 28.45,3.7 18.275,3.7 16.8,5.175 8.325,5.175 6.625,6.875 6.625,11
  Bottom Layer w0.25: v2(1.45,14.775) 2.425,14.775 ; v1(6.225,23.575) 5.725,23.575 2.425,20.275 2.425,14.775 ; v2(6.6,13.475) 3,13.475 2.425,14.05 2.425,14.775 ; v1(25.625,9.522) 25.625,10.95 23.55,13.025 23.55,16.55 24.725,17.725 24.725,21.6 26.775,23.65 30.775,23.65 v1(30.95,23.475)
VCLD: IC4.40 J2.67 | length 10.9
  Top Layer w0.2: IC4.40@44.575,4.9 44.575,6.005 44.875,6.305 46.075,7.505 47.75,9.18 47.75,10.475 46.871,11.354 v1(45.225,11.354)
  Bottom Layer w0.2: v1(45.225,11.354) 45.293,11.354 45.539,11.6 J2.67@46.255,11.6
VDA0: IC4.60 J2.41 | length 9.1
  Top Layer w0.15: v1@47.522,16.575 47.522,16.596 v1(47.527,16.601) 47.935,16.601 47.945,16.59 51.11,13.425 IC4.60@53.9,13.425
  Bottom Layer w0.15: J2.41@46.255,16.8 47.289,16.8 47.489,16.601 v1(47.527,16.601)
VDA1: IC4.61 J2.39 | length 10.7
  Top Layer w0.15: v1(45.502,16.701) 45.852,17.051 47.98,17.051 50.955,14.075 IC4.61@53.9,14.075
  Bottom Layer w0.15: v1@45.5,16.815 45.885,17.2 J2.39@46.255,17.2
VDA2: IC4.62 J2.37 | length 9
  Top Layer w0.15: v1(46.932,17.515) 48.01,17.515 48.095,17.43 50.8,14.725 IC4.62@53.9,14.725
  Bottom Layer w0.15: J2.37@46.255,17.6 46.847,17.6 v1@47.017,17.43
VDA3: IC4.63 J2.35 | length 10.1
  Top Layer w0.15: 45.745,18.05 47.97,18.05 50.645,15.375 IC4.63@53.9,15.375
  Bottom Layer w0.15: v1(45.525,18.175) 45.7,18 J2.35@46.255,18
VDA4: IC4.64 J2.33 | length 8.7
  Top Layer w0.15: v1(47.375,18.5) 47.4,18.475 48.04,18.475 50.49,16.025 IC4.64@53.9,16.025
  Bottom Layer w0.15: J2.33@46.255,18.4 47.219,18.4 47.319,18.5 v1(47.375,18.5)
VDA5: IC4.65 J2.31 | length 10.1
  Top Layer w0.15: v1(45.519,18.8) 46.755,18.8 46.905,18.95 48.06,18.95 48.085,18.925 50.335,16.675 IC4.65@53.9,16.675
  Bottom Layer w0.15: v1(45.519,18.8) J2.31@46.255,18.8
VDA6: IC4.66 J2.29 | length 8.6
  Top Layer w0.15: v1(47.225,19.4) 47.25,19.375 48.13,19.375 50.18,17.325 IC4.66@53.9,17.325
  Bottom Layer w0.15: J2.29@46.255,19.2 46.969,19.2 47.144,19.375 47.2,19.375 v1(47.225,19.4)
VDA7: IC4.67 J2.27 | length 10.4
  Top Layer w0.15: v1(45.402,19.401) 45.851,19.401 46.3,19.85 48.15,19.85 48.4,19.6 50.025,17.975 IC4.67@53.9,17.975
  Bottom Layer w0.15: v1(45.402,19.401) 45.483,19.401 45.682,19.6 45.725,19.6 J2.27@46.255,19.6
VDB0: IC4.51 IC4.69 IC5.18 R27.8 | length 33.2
  Top Layer w0.2: IC4.51@53.9,7.575 55.075,7.575 55.902,6.748 56.052,6.748 v1(56.1,6.7) R27.8@57.3,6.7 ; IC4.69@53.9,19.275 56.275,19.275 57.166,20.166 57.491,20.166 v1(57.5,20.175) 57.522,20.175 58.172,20.825 60.95,20.825 61.2,21.075 61.2,22.175 v1(60.7,22.675)
  Bottom Layer w0.2: v1(56.1,6.7) 61.2,11.8 61.2,22.175 v1(60.7,22.675) ; IC5.18@56.25,20.175 v1(57.5,20.175)
VDB1: IC4.52 IC4.70 IC5.17 R27.7 | length 28.1
  Top Layer w0.2: IC4.52@53.9,8.225 55.075,8.225 55.752,7.548 55.902,7.548 v1(55.95,7.5) R27.7@57.3,7.5 ; IC4.70@53.9,19.925 56.25,19.925 57.15,20.825 v1(57.5,20.825) 57.522,20.825 58.022,21.325 v1(60.7,21.325)
  Bottom Layer w0.2: v1(55.95,7.5) 60.652,12.202 60.652,21.1 60.652,21.277 v1(60.7,21.325) ; IC5.17@56.25,20.825 v1(57.5,20.825)
VDB2: IC4.53 IC4.71 IC5.16 R27.6 | length 27.3
  Top Layer w0.2: IC4.53@53.9,8.875 55.075,8.875 55.602,8.348 55.752,8.348 v1(55.8,8.3) R27.6@57.3,8.3 ; IC4.71@53.9,20.575 56.25,20.575 57.15,21.475 v1(57.5,21.475) 57.522,21.475 58.022,21.975 v1(60.25,21.975)
  Bottom Layer w0.2: v1(55.8,8.3) 60.202,12.702 60.202,21.752 60.202,21.927 v1(60.25,21.975) ; IC5.16@56.25,21.475 v1(57.5,21.475)
VDB3: IC4.54 IC4.72 IC5.15 R27.5 | length 26.5
  Top Layer w0.2: IC4.54@53.9,9.525 55.225,9.525 v1(55.65,9.1) R27.5@57.3,9.1 ; IC4.72@53.9,21.225 56.25,21.225 57.15,22.125 v1(57.5,22.125) 57.522,22.125 58.022,22.625 v1(59.8,22.625)
  Bottom Layer w0.2: v1(55.65,9.1) 59.775,13.225 59.775,22.6 v1(59.8,22.625) ; IC5.15@56.25,22.125 v1(57.5,22.125)
VDB4: IC4.55 IC4.73 IC5.14 R26.8 | length 25.4
  Top Layer w0.2: IC4.55@53.9,10.175 55.225,10.175 v1(55.65,10.6) R26.8@57.3,10.6 ; IC4.73@53.9,21.875 56.275,21.875 57.166,22.766 57.491,22.766 v1(57.5,22.775) 57.522,22.775 58.022,23.275 v1(59.35,23.275)
  Bottom Layer w0.2: v1(55.65,10.6) 56.2,10.6 59.325,13.725 59.325,23.25 v1(59.35,23.275) ; IC5.14@56.25,22.775 v1(57.5,22.775)
VDB5: IC4.56 IC4.74 IC5.13 R26.7 | length 24.5
  Top Layer w0.2: IC4.56@53.9,10.825 55.05,10.825 55.577,11.352 55.752,11.352 v1(55.8,11.4) R26.7@57.3,11.4 ; IC4.74@53.9,22.525 56.25,22.525 57.15,23.425 v1(57.5,23.425) 57.522,23.425 58.022,23.925 v1(58.9,23.925)
  Bottom Layer w0.2: v1(55.8,11.4) 55.846,11.446 56.197,11.446 58.875,14.125 v1@58.875,23.925 ; IC5.13@56.25,23.425 v1(57.5,23.425)
VDB6: IC4.57 IC4.75 IC5.12 R26.6 | length 23.5
  Top Layer w0.2: IC4.57@53.9,11.475 55,11.475 55.677,12.152 55.902,12.152 v1(55.95,12.2) R26.6@57.3,12.2 ; IC4.75@53.9,23.175 56.25,23.175 57.15,24.075 v1(57.5,24.075) 57.522,24.075 58.022,24.575 v1(58.45,24.575)
  Bottom Layer w0.2: v1(55.95,12.2) 55.991,12.2 58.425,14.634 v1@58.425,24.575 ; IC5.12@56.25,24.075 v1(57.5,24.075)
VDB7: IC4.58 IC4.76 IC5.11 R26.5 | length 22.4
  Top Layer w0.2: IC4.58@53.9,12.125 53.908,12.133 54.983,12.133 55.804,12.954 56.054,12.954 v1(56.1,13) R26.5@57.3,13 ; IC4.76@53.9,23.825 56.2,23.825 57.1,24.725 v1(57.5,24.725)
  Bottom Layer w0.2: IC5.11@55.575,24.725 57.522,24.725 58.019,24.228 58.019,15.169 56.146,13.296 56.146,13.046 v1(56.1,13)
VDBCON0: IC5.2 J2.23 | length 3.1
  Bottom Layer w0.2: J2.23@46.255,20.4 46.961,20.4 47.836,19.525 IC5.2@49,19.525
VDBCON1: IC5.3 J2.21 | length 3
  Bottom Layer w0.2: J2.21@46.255,20.8 47.075,20.8 47.7,20.175 IC5.3@49,20.175
VDBCON2: IC5.4 J2.19 | length 2.9
  Bottom Layer w0.2: J2.19@46.255,21.2 47.205,21.2 47.58,20.825 IC5.4@49,20.825
VDBCON3: IC5.5 J2.17 | length 2.8
  Bottom Layer w0.2: J2.17@46.255,21.6 47.3,21.6 47.425,21.475 IC5.5@49,21.475
VDBCON4: IC5.6 J2.15 | length 2.8
  Bottom Layer w0.2: J2.15@46.255,22 47.3,22 47.425,22.125 IC5.6@49,22.125
VDBCON5: IC5.7 J2.13 | length 2.9
  Bottom Layer w0.2: J2.13@46.255,22.4 47.205,22.4 47.58,22.775 IC5.7@49,22.775
VDBCON6: IC5.8 J2.11 | length 3
  Bottom Layer w0.2: J2.11@46.255,22.8 47.075,22.8 47.7,23.425 IC5.8@49,23.425
VDBCON7: IC5.9 J2.9 | length 3.1
  Bottom Layer w0.2: J2.9@46.255,23.2 46.95,23.2 47.825,24.075 IC5.9@49,24.075
VIN: C37.2 IC18.1 JP6.2 TP18.1 | length 9.6
  Top Layer w0.8: TP18.1@1.475,24.6 4.3,24.6 C37.2@4.525,24.825 ; IC18.1@1.75,22.075 3.475,22.075 4.525,23.125 C37.2@4.525,24.825 ; 4.55,26.325 4.55,24.85 C37.2@4.525,24.825
pads on no net: IC2.1 IC4.3 IC6.21 IC7.21 IC8.21 IC9.21 IC10.21 IC11.21 IC12.21 IC17.7 IC17.8 IC17.11 J2.0 J2.3 J2.5 J2.7 J2.45 J2.47 R23.8

## Polygon pours and split planes (outlines as drawn)
3.3V on Power Layer "3.3V Plane" (solid, remove dead copper, pour order 13): 0,3.5 0,41 11.5,41 ccw(c11.5,42) 12.5,42 12.5,43 40.5,43 40.5,42 ccw(c41.5,42) 41.5,41 62,41 62,0 15.75,0 15.75,2.506 15.75,2.5 ccw(c14.75,2.5) 14.75,3.5
3.3V_A on Power Layer "3.3V Analog" (solid, pour order 12): 0,28.7 0,41 11.5,41 ccw(c11.5,42) 12.5,42 12.5,43 32.45,43 32.45,34.025 30.825,32.4 16.175,32.4 15.85,32.075 9.475,32.075 6.1,28.7
5V_A on Power Layer "5V Analog" (solid, pour order 8): 32.45,31.025 32.45,31.263 32.437,31.263 33.8,32.625 33.8,39.25 36.025,41.475 37.975,41.475 39.8,39.65 49.95,39.65 49.95,34.025 40.225,34.025 37.225,31.025
5V on Power Layer "5V Plane" (solid, remove dead copper, pour order 10): 0,3.5 15.25,3.5 cw(c15.25,3) 15.75,3 15.75,0 44.3,0 50.575,6.275 50.575,11.25 50.95,11.625 53.325,11.625 57.325,15.625 57.325,32.55 55.85,34.025 45.475,34.025 41.875,37.625 33.9,37.625 33.9,33.35 32.45,31.9 32.45,30.775 33.9,29.325 38.325,24.9 38.325,20.275 27.163,20.275 26.666,18.3 38.325,18.3 38.325,9.95 30.4,2.025 19.75,2.025 15.875,5.9 10.025,5.9 2.4,13.525 2.4,19.625 6.875,24.1 6.875,27.925 6.1,28.7 0,28.7
GND on Ground Layer "Ground Layer" (solid, remove dead copper, pour order 1): 0,3.5 0,41 11.5,41 ccw(c11.5,42) 12.5,42 12.5,43 40.5,43 40.5,42 ccw(c41.5,42) 41.5,41 62,41 62,0 15.75,0 15.75,2.506 15.75,2.5 ccw(c14.75,2.5) 14.75,3.5
GND on Top Layer "TOP GND" (solid, remove dead copper, pour order 0): 0,3.5 0,41 11.5,41 ccw(c11.5,42) 12.5,42 12.5,43 40.5,43 40.5,42 ccw(c41.5,42) 41.5,41 62,41 62,0 15.75,0 15.75,2.506 15.75,2.5 ccw(c14.75,2.5) 14.75,3.5
GND on Bottom Layer "BOT GND" (solid, remove dead copper, pour order 2): 0,3.5 0,41 11.5,41 ccw(c11.5,42) 12.5,42 12.5,43 40.5,43 40.5,42 ccw(c41.5,42) 41.5,41 62,41 62,0 15.75,0 15.75,2.506 15.75,2.5 ccw(c14.75,2.5) 14.75,3.5

## Keep-outs
Keep-Out Layer:
  lines w0.05: 0,41 0,3.5 14.75,3.5 cw(c14.75,2.5) 15.75,2.5 15.75,0 62,0 62,41

## Other copper
Top Layer:
  text "1" at 56.982,39.151 h1.2
Ground Layer:
  text "2" at 56.657,39.151 h1.2
Power Layer:
  text "3" at 59.179,39.151 h1.2
Bottom Layer:
  text "4" at 61.336,39.153 h1.2
Multi-Layer:
  pour cut-out: 56.578,38.751 56.578,40.759 61.751,40.759 61.751,38.751

## Silkscreen, mask and mechanical layers (free items; w line width, h text height)
Top Overlay:
  lines w0.1: 3.7,32.225 4.7,32.225 ; 3.7,35.075 4.7,35.075 ; 3.7,37.925 4.7,37.925 ; 3.8,28.025 5.3,28.025 ; 6.15,28.575 7.15,28.575 ; 8,29.675 8,30.675
  lines w0.15: 3.912,39.3 4.437,39.3
  text "5" at 3.944,39.575 h0.7
  text "B" at 2.725,39.15 h0.7 r270
  text "4" at 3.975,36.475 h0.7
  text "G" at 2.725,36.3 h0.7 r270
  text "3" at 3.975,33.625 h0.7
  text "R" at 2.725,33.45 h0.7 r270
  text "GND" at 2.725,31.775 h0.7 r270
  text "1" at 8.425,30.925 h0.7
  text "SNES TST Main / .Revision / .ModifiedDate" at 38.262,30.7 h0.9
  text "CS" at 2.725,29.475 h0.7 r270
  text "2" at 5.4,28.95 h0.7
  text "6" at 4.282,28.35 h0.7
  text "GND" at 2.7,27.5 h0.7 r270
  text "VI" at 2.7,25.075 h0.7 r270
  text "GL" at 16.4,2.75 h0.7
  text "GO" at 18.325,2.75 h0.7
  text "GC" at 20.225,2.75 h0.7
  text "GD" at 22.175,2.75 h0.7
  text "C0" at 24.025,2.75 h0.7
  text "C1" at 25.925,2.75 h0.7
  text "C2" at 27.825,2.75 h0.7
  text "C3" at 29.75,2.75 h0.7
  text "MC" at 31.675,2.75 h0.7
  text "L1" at 33.6,2.75 h0.7
  text "L2" at 35.525,2.75 h0.7
  text "L3" at 37.45,2.75 h0.7
  text "RG" at 39.375,2.75 h0.7
  text "GND" at 44.075,2.75 h0.7
  text "TDO" at 46.775,2.75 h0.7
  text "TDI" at 49.315,2.75 h0.7
  text "TMS" at 51.855,2.75 h0.7
  text "TCK" at 54.395,2.75 h0.7
  text "GND" at 56.935,2.75 h0.7
  text "Vcc" at 59.475,2.75 h0.7
Bottom Overlay:
  lines w0.15: 1.977,36.65 2.977,36.65 ; 1.977,37.775 2.477,38.275 ; 2.477,36.65 2.477,38.275 ; 2.977,37.775 2.477,38.275 ; 13.3,7.5 14.3,7.5 ; 13.3,6.375 13.8,5.875 ; 13.8,7.5 13.8,5.875 ; 14.3,6.375 13.8,5.875
  text "SHVC-CPU-XX / SNSP-CPU-XX" at 11.925,36.1 h0.8
  text "SNS-CPU-GPM-XX / SNS-CPU-RGB-XX / SNS-CPU-APU-XX" at 1.95,9.4 h0.8 r180
Mechanical 2:
  lines w0.05: 0,14.25 18.175,14.25 18.175,30.125 0.175,30.125 ; 15.75,1 15.75,-19 33.5,-19 33.5,1 ; 62,1 0,1 0,3.5 ; 0,3.5 15.25,3.5 cw(c15.25,3) 15.75,3 15.75,0 62,0 62,41 0,41 0,3.5
Board Outline:
  lines w0.05: 15.75,2.5 ccw(c14.75,2.5) 14.75,3.5 0,3.5 0,41 ; 15.75,2.506 15.75,0 62,0 62,41 ; 0,41 0,41 ; 0,41 11.5,41 ccw(c11.5,42) 12.5,42 12.5,43 40.5,43 40.5,42 ccw(c41.5,42) 41.5,41 62,41 ; 62,41 62,41
Mechanical 4:
  lines w0.05: 48.6,41 41.5,41 cw(c41.5,42) 40.5,42 40.5,43 32.45,43 ; 0,28.7 0,3.5 15.25,3.5 cw(c15.25,3) 15.75,3 15.75,0 44.3,0 48.375,4.075 48.375,6.7 50.575,8.9 50.575,11.25 50.95,11.625 53.325,11.625 57.325,15.625 57.325,32.55 55.85,34.025 51.944,34.025 49.95,34.025 ; 0,28.7 6.1,28.7 ; 0,28.7 0,41 11.5,41 ccw(c11.5,42) 12.5,42 12.5,43 32.45,43 ; 6.1,28.7 6.875,27.925 6.875,24.1 2.4,19.625 2.4,13.525 10.025,5.9 15.875,5.9 19.75,2.025 30.4,2.025 38.325,9.95 38.325,18.3 26.65,18.3 ; 6.1,28.7 6.1,28.7 ; 6.1,28.7 9.475,32.075 15.85,32.075 16.175,32.4 23.656,32.4 30.825,32.4 32.45,34.025 32.45,43 ; 26.65,18.3 26.65,18.3 ; 26.65,18.3 27.15,20.275 38.325,20.275 38.325,24.9 33.9,29.325 32.45,30.775 32.45,31.025 ; 32.45,31.025 37.225,31.025 40.225,34.025 49.95,34.025 ; 32.45,31.025 32.45,31.263 32.437,31.263 33.8,32.625 33.8,39.25 36.025,41.475 37.975,41.475 39.8,39.65 49.95,39.65 49.95,34.025

## Text inside footprints (layer, text, board x,y; h text height)
IC1: Mechanical 13 "*" at 11.444,24.29 h1.27
IC4: Top Overlay "*" at 35.451,27.4 h0.7; Top Overlay "PPU2" at 43.101,17 h0.9
IC16: Mechanical 13 "*" at 29.356,31.485 h0.9 r180